# Altium PCB BMS.PcbDoc (part 2 of 2)
Units mil, origin at the board's own origin, x right, y up, seen from the top; angles counter-clockwise.
Board outline 4330.71 x 4330.71 mil, 4 copper layers (Top Layer, Ground, Power, Bottom Layer), stack 61.506 mil thick; 163 components, 102 nets, 505 pads, 490 vias.
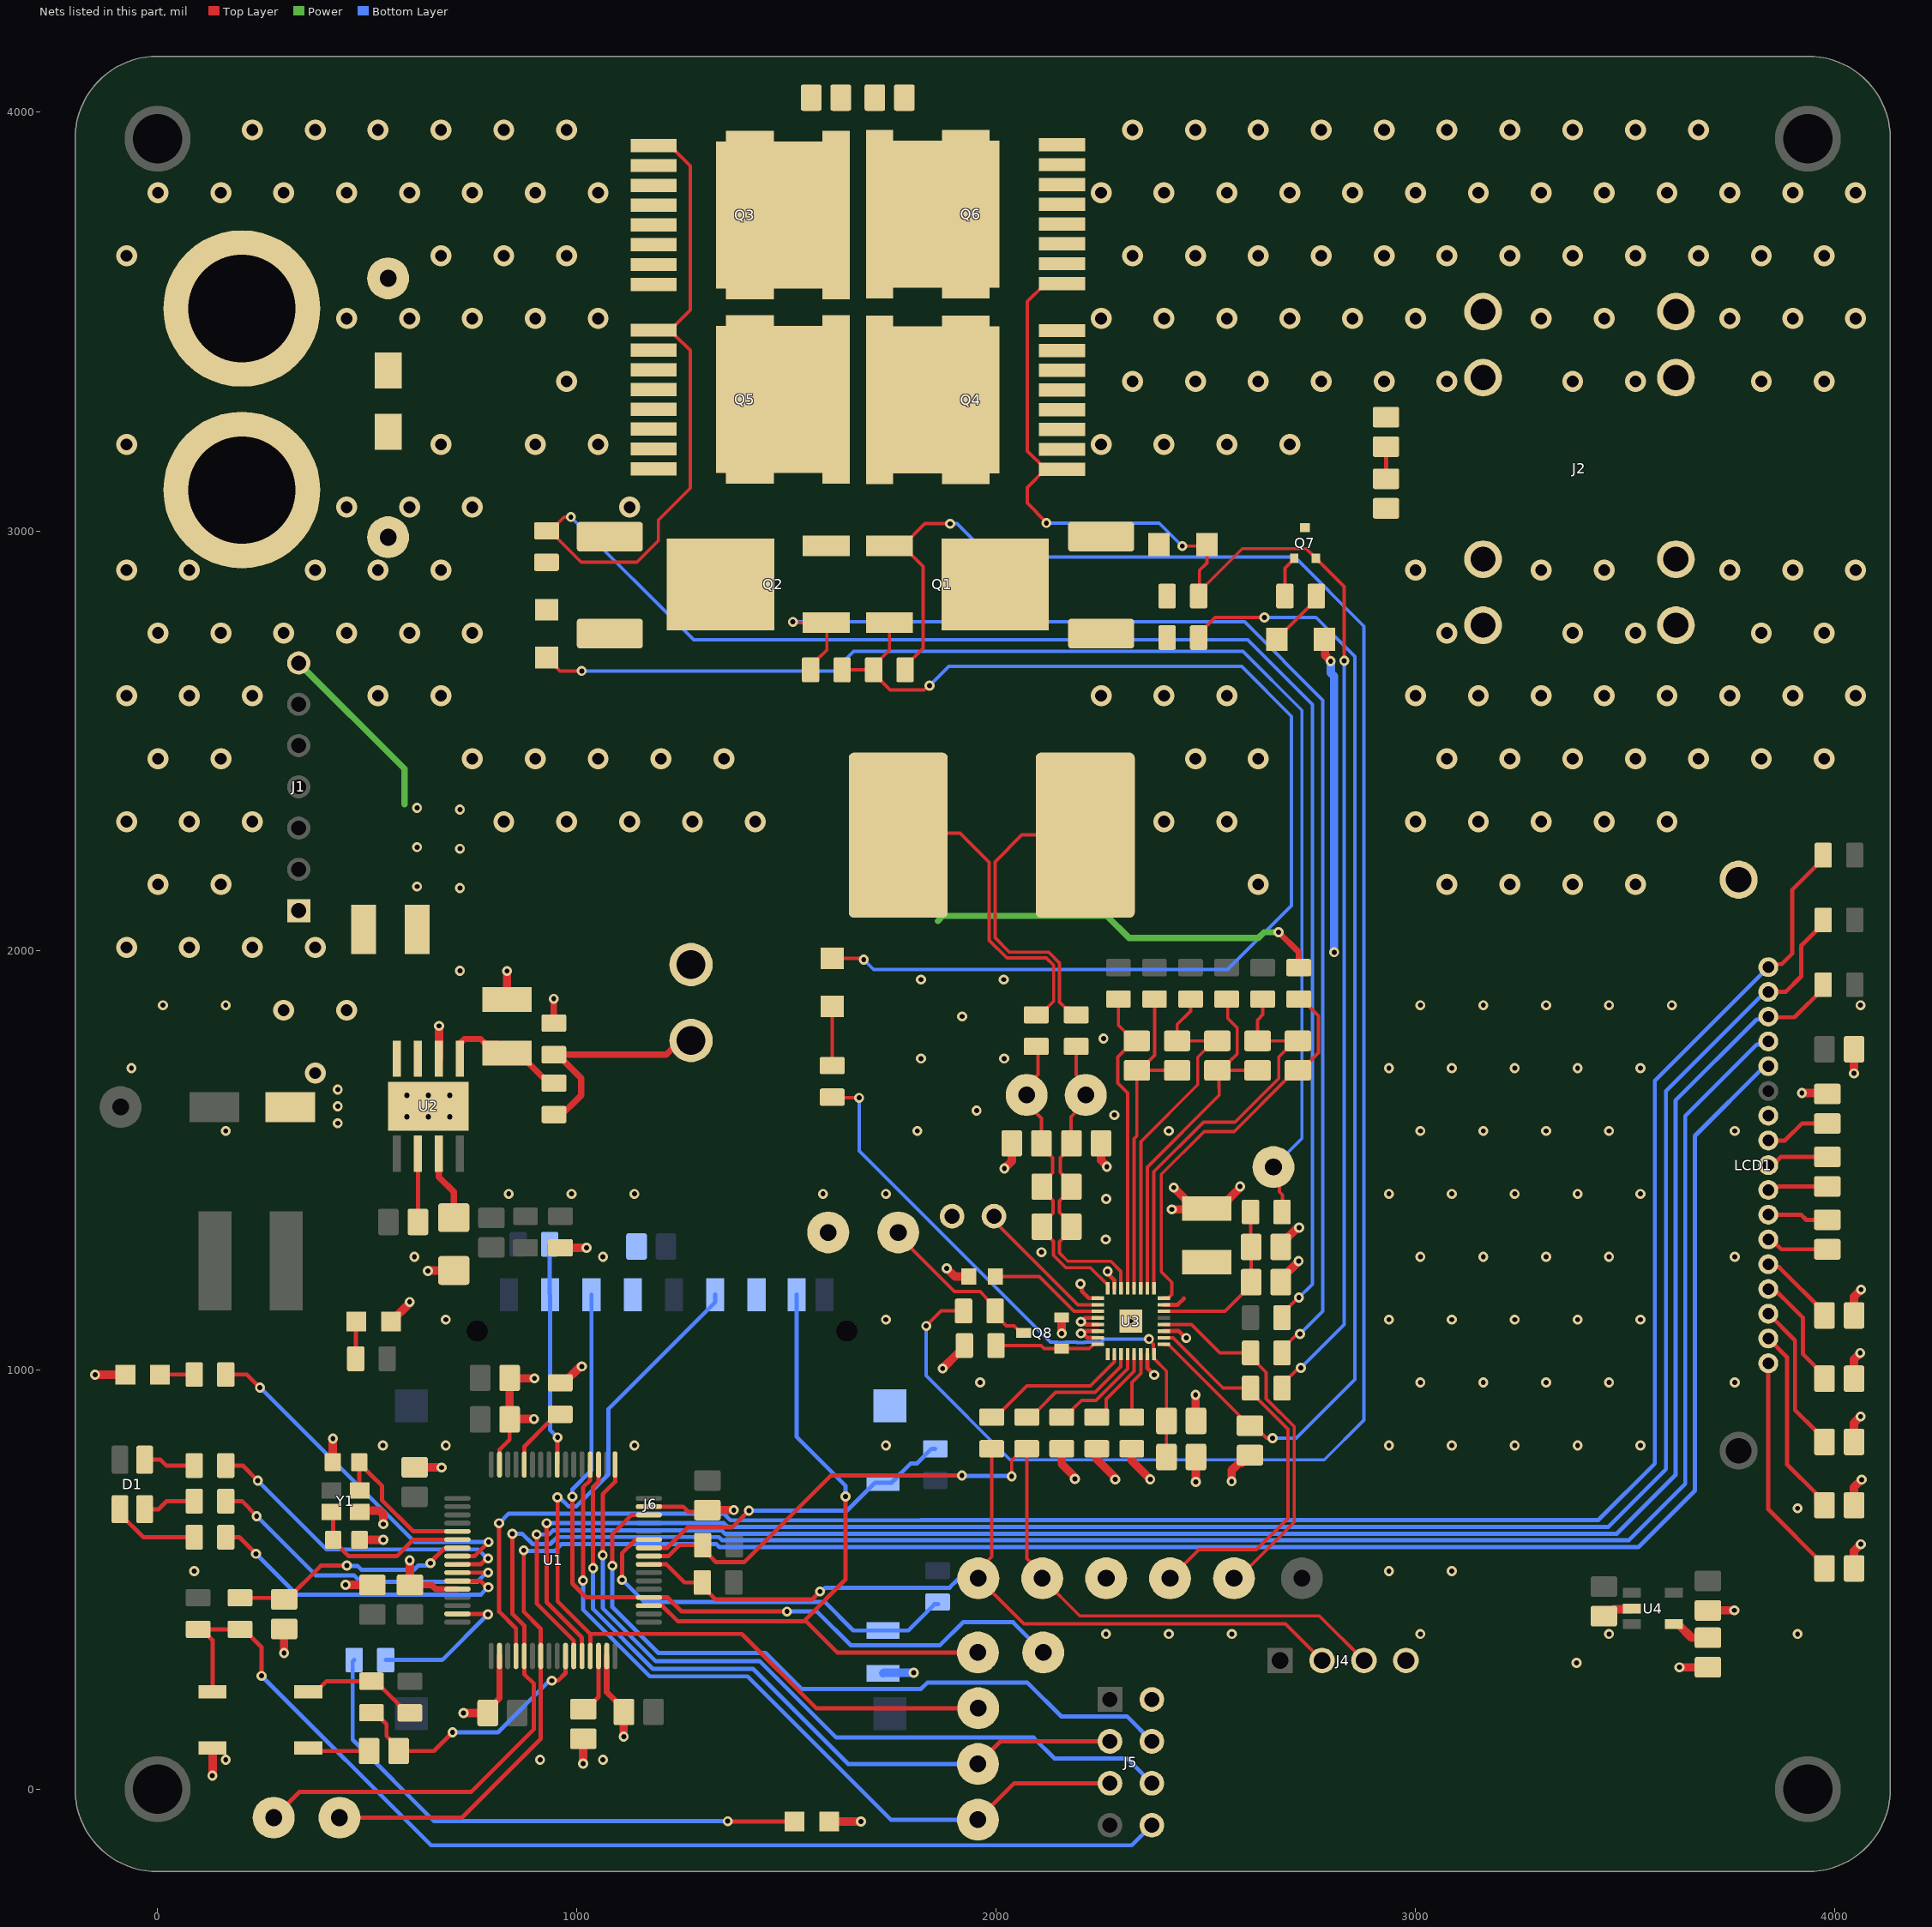
[diagram p4: the nets of this part, all layers, seen from the top]

## Via types
v1: diameter 24, hole 12, Top Layer to Bottom Layer, tented both sides, 309 vias
v2: diameter 50, hole 28, Top Layer to Bottom Layer, tented both sides, 175 vias
v3: diameter 24.8, hole 12.99, Top Layer to Bottom Layer, 6 vias

## Nets (pads, with @x,y where several pads share a name; then routed paths per layer and width w, separated by ;. In a path a pad name is that pad's centre, name@x,y a point inside that pad or via, vN(x,y) a via of type N, cw(c..) or ccw(c..) an arc to the next point about the centre after c; other vN are vias at no path point) (continued)
DEBUG_RX: J5.3 TP4.1 U1.52 | length 1853.8
  Top Layer w10: v1(1014.9,497.6) 1014.9,719.8 1031.88,736.78 1031.88,773.97 U1.52@1032.23,774.32 ; TP4.1@1957,-73 2044,14 J5.3@2272,14
  Bottom Layer w10: v1(1014.9,497.6) 1014.9,428.6 1174.5,269 1407.2,269 1749.2,-73 TP4.1@1957,-73
DEBUG_TX: J5.2 TP3.1 U1.51 | length 1758.6
  Top Layer w10: v1(1039,527.3) 1039,720.5 1051.91,733.41 U1.51@1051.91,774.32 ; TP3.1@1957,60 2011,114 J5.2@2272,114
  Bottom Layer w10: v1(1039,527.3) 1039,429.5 1181.5,287 1420.4,287 1647.4,60 TP3.1@1957,60
DSG: R28.1 TP13.1 U3.26 | length 944.3
  Top Layer w8: U3.26@2400.45,1076.83 2422.27,1076.83 2541.8,957.3 2606.8,957.3 R28.1@2607.45,956.65 2607.45,947.75 2696.4,858.8 2696.4,646.3 2621.5,571.4 2483.85,571.4 TP13.1@2415.45,503
EN_3V3: C40.2 R14.2 U2.5 | length 306.4
  Top Layer w15: U2.5@721,1742.38 723.34,1744.72 723.34,1780.81 732.13,1789.6 770.6,1789.6 782.24,1777.95 811.77,1777.95 C40.2@833.8,1755.92 ; C40.2@839.67,1752.81 866.44,1752.81 885.36,1733.9 885.36,1731.64 919.53,1697.47 923.67,1697.47 R14.2@945.37,1675.77
GND: C1.1 C2.1 C3.1 C4.1 C5.1 C6.1 C7.1 C8.1 C9.1 C10.1 C11.1 C13.1 C16.1 C17.1 C18.2 C21.1 C22.2 C23.1 C24.2 C26.1 C27.1 C34.1 C35.2 C38.1 C39.2 C40.1 C41.1 C42.1 C44.1 C45.1 C47.1 C48.1 C49.1 C50.1 C51.1 D2.2 D3.2 D6.2 D8.2 D9.1 J1.1 J3.2 J4.4 J5.5 J6.3 J6.6 J6.12 J6.13 LCD1.11 LCD1.K Q8.2 R6.2 R15.1 R34.2 R37.2 R38.2 R41.1 R42.1 R44.1 RT1.2 RT2.2 S1.1 S3.1 TP6.1 TP14.1 TP15.1 U1.12 U1.18 U1.31 U1.47 U1.63 U2.6 U2.8 U2.9 U3.7 U3.9 U3.12 U3.13 U3.14 U3.15 U3.17 U3.23 U3.27 U3.33 U3.33_1 U4.2 Y1.2 | length 6015.3
  Top Layer w8: R44.1@1767.01,2275.78 1771.53,2280.3 1914.3,2280.3 1984,2210.6 1984,2024.81 2026.21,1982.6 2120.22,1982.6 2137.7,1965.12 2137.7,1879.1 2105.62,1847.02 R42.1@2096.17,1847.02
  Top Layer w10: U1.63@816.04,774.66 816.04,809.74 839.85,833.55 C1.1@839.85,881.97 ; U1.47@1171.99,673.92 1253.98,673.92 1266.6,661.3 C3.1@1307.21,661.3 ; v1(2201.77,1205.58) 2204.45,1202.9 2204.45,1188.55 2221.9,1171.1 2243.37,1171.1 U3.9@2243.37,1171.32 ; v1(2202.93,1087.14) v1@2207.46,1087.14 ; U3.15@2243.37,1076.83 2217.77,1076.83 v1@2207.46,1087.14 ; U3.14@2243.37,1092.58 2213.24,1092.58 2207.8,1087.14 v1@2207.46,1087.14 ; U3.13@2243.37,1108.32 2214.28,1108.32 2207.8,1114.8 v1(2202.93,1114.8) 2212.2,1124.07 U3.12@2243.37,1124.07 ; v1(2266.5,1235.1) 2266.5,1229.8 2282.54,1213.76 U3.7@2282.54,1194.74 ; U3.23@2361.28,1037.65 2361.28,1004.25 v1(2377.47,988.06) ; U3.27@2400.45,1092.58 2436.22,1092.58 2452.6,1076.2 v1(2454.1,1076.2)
  Top Layer w15: C7.1@602.05,487.19 653.83,487.19 663.95,477.07 U1.12@715.3,477.07 ; C2.1@787.65,188.61 815.69,216.66 U1.18@815.69,317.62 ; U1.31@1071.6,317.62 1071.6,231.78 C4.1@1112.46,190.91
  Top Layer w20: v1(-149.2,988.8) -76.85,988.8 D2.2@-76.65,989 ; v1(130.69,32.13) 131.2,32.64 S1.1@131.2,97.1 ; v1(301.66,324.53) 301.8,324.66 C11.1@301.8,382.1 ; C10.1@418,780 418,836.12 v1(418.21,836.33) ; v1(448.51,487.19) C8.1@512.4,487.19 C8.1@515.05,487.19 ; C9.1@481.97,594.76 538.46,594.76 v1(538.51,594.72) ; Y1.2@481.97,661.43 485.16,664.62 529.16,664.62 538.46,655.32 v1(538.46,632) ; D3.2@556.93,1115.38 601.4,1159.85 v1(601.4,1162.2) ; v1(601.53,545.85) 602.05,545.32 C7.1@602.05,487.19 ; C6.1@613.25,767.84 v1@676.77,767.84 ; v1(644.7,1236.1) 645.91,1237.31 C17.1@706.65,1237.31 ; U2.6@671,1742.38 671.25,1742.63 671.25,1820.35 v1(671.5,1820.6) ; v1(729.8,181.72) C2.1@787.65,181.72 C2.1@787.65,188.61 ; v1(833.57,1951.51) 833.8,1951.27 C40.1@833.8,1883.88 ; v1(898,883) 840.88,883 C1.1@839.85,881.97 C5.1@839.85,980.97 840.82,980 v1(899.08,980) ; R6.2@960.61,969.33 969.46,969.33 1008.54,1008.4 v1(1012.18,1008.4) ; R15.1@961.2,1291.39 v1(1023.2,1291.39) ; v1(1015.1,60.7) C13.1@1015.1,119.79 ; v1(1112,125.2) 1112,183.56 C4.1@1112.46,184.02 C4.1@1112.46,190.91 ; C3.1@1307.21,661.3 C3.1@1311.65,665.73 1318.91,673 1326.18,665.73 v1(1374.84,665.73) ; D8.2@1602.34,-77 1677.82,-77 v1(1678.24,-77.41) ; v1(1872.9,1003.4) R41.1@1907.02,1037.52 ; v1(1882.8,1242.44) 1902.46,1222.78 RT2.2@1935.45,1222.78 ; v1(2020.18,1480.44) 2037.8,1498.07 C34.1@2037.8,1540.42 ; Q8.2@2156.78,1125.46 2156.96,1125.28 v1(2156.96,1087.14) ; R34.2@2157.04,812.06 2157.04,775.56 2188.5,744.1 v1(2188.5,740.2) ; R37.2@2240.54,812.06 2240.54,786.96 2284.8,742.7 v1(2284.8,738.7) ; C35.2@2250.88,1543.62 2250.88,1500.24 2264.64,1486.48 v1(2264.64,1484.92) ; R38.2@2324.04,812.06 2324.04,783.36 v1(2368.2,739.2) ; v1(2419.6,1383) 2501.12,1383 C26.1@2503.04,1384.92 ; v1(2424.3,1435.2) 2424.3,1434.14 2473.52,1384.92 C26.1@2503.04,1384.92 ; v1(2476.3,940.5) 2476.3,879.36 C21.1@2477.33,878.33 ; v1(2476.7,733.1) 2476.7,791.7 C23.1@2477.33,792.33 ; v1(2562.31,734.26) 2562.31,760.36 2579.11,777.16 2586.39,777.16 C27.1@2606,796.76 ; v1(2582.5,1437.7) 2582.5,1434.85 2532.57,1384.92 C26.1@2503.04,1384.92 ; C22.2@2679.49,1209.44 2679.49,1216.59 2722.1,1259.2 v1(2722.1,1259.6) ; C24.2@2679.49,1293.44 2679.49,1299.29 2719.7,1339.5 v1(2723.5,1339.5) ; D6.2@2783.92,2743 2785.44,2741.48 2785.44,2704.75 v1@2794.22,2695.97 ; v1(2798.5,2690.61) v1@2798.5,2691.69 ; C49.1@3450.5,412.57 3457.39,412.57 3473.91,429.1 3515.09,429.1 U4.2@3516.9,430.91 ; v1(3630.81,290.67) 3692.21,290.67 3694.5,292.97 C50.1@3696.8,290.67 ; C51.1@3698.45,426.4 v1(3761.7,426.4) v1@3762.39,426.4 ; v1(3922.6,1660.4) 3981.29,1660.4 C48.1@3983.46,1658.24 ; v1(4046.89,1707.31) 4047.24,1707.66 C39.2@4047.24,1765 ; C41.1@4047.24,526.42 4047.24,567.97 v1(4063.5,584.23) ; C42.1@4047.24,677.31 4047.24,720.35 v1(4065.19,738.31) ; C44.1@4047.24,828.21 4047.24,873.54 v1(4062.7,889) ; C45.1@4047.24,979.1 4047.24,1025.6 4061.8,1040.16 v1(4061.8,1040.5) ; C47.1@4047.24,1130 4047.24,1174.84 v1(4063.9,1191.5)
  Bottom Layer w20: J6.12@1731.05,276.17 1732.57,277.7 v1(1803.7,277.7) ; v1(2798.5,2690.61) 2799.27,2689.84 2799.27,2662.44 2806.9,2654.81 v1(2806.9,1996.41)
  other v1: 162.6,70 912.6,70 1062.6,70 3385.3,301.21 2262.6,370 2412.6,370 2562.6,370 3012.6,370 3462.6,370 3912.6,370 87.6,520 2937.6,520 3087.6,520 3912.6,670 677.48,767.13 537.6,820 687.6,820 1137.6,820 1737.6,820 2937.6,820 3087.6,820 3237.6,820 3387.6,820 3537.6,820 1962.6,970 3012.6,970 3162.6,970 3312.6,970 3462.6,970 3762.6,970 687.6,1120 1737.6,1120 2937.6,1120 3087.6,1120 3237.6,1120 3387.6,1120 3537.6,1120 612.6,1270 1062.6,1270 3012.6,1270 3162.6,1270 3312.6,1270 3462.6,1270 3762.6,1270 2108.5,1280.8 2262.2,1311.4 2263.3,1408 837.6,1420 987.6,1420 1137.6,1420 1587.6,1420 1737.6,1420 2937.6,1420 3087.6,1420 3237.6,1420 3387.6,1420 3537.6,1420 162.6,1570 1812.6,1570 2412.6,1570 3012.6,1570 3162.6,1570 3312.6,1570 3462.6,1570 3762.6,1570 429.8,1588.41 2282.6,1608.2 1953.9,1618.5 429.8,1628.71 429.8,1669.01 -62.4,1720 2937.6,1720 3087.6,1720 3237.6,1720 3387.6,1720 3537.6,1720 1821.4,1742.8 2019.8,1742.8 2256.7,1790.3 1919.5,1843.1 12.6,1870 162.6,1870 3012.6,1870 3162.6,1870 3312.6,1870 3462.6,1870 3612.6,1870 4062.6,1870 1821.4,1931.3 2018.7,1931.3
  other v2: 376,1708 301,1858 451,1858 -74,2008 76,2008 226,2008 376,2008 1,2158 151,2158 -74,2308 76,2308 226,2308 826,2308 976,2308 1126,2308 1276,2308 1426,2308 1,2458 151,2458 751,2458 901,2458 1051,2458 1201,2458 1351,2458 -74,2608 76,2608 226,2608 526,2608 676,2608 1,2758 151,2758 301,2758 451,2758 601,2758 751,2758 -74,2908 76,2908 376,2908 526,2908 676,2908 451,3058 601,3058 751,3058 -74,3208 676,3208
  other v3: 594.82,1603.6 646,1603.6 697.18,1603.6 594.82,1654.78 646,1654.78 697.18,1654.78
LCD_A0: LCD1.15 R50.1 U1.27 | length 4475.5
  Top Layer w10: v1(904.4,607.5) 904.4,442.8 992.51,354.69 992.51,317.97 U1.27@992.86,317.62 ; LCD1.15@3842.68,1842.71 3844.29,1841.1 3904.76,1841.1 3973.61,1909.95 R50.1@3973.61,1918.81
  Bottom Layer w10: v1(904.4,607.5) 933.83,607.5 943.83,617.5 1345.29,617.5 1353.39,609.4 3481.4,609.4 3621.3,749.3 3621.3,1642.7 3814.69,1836.09 3836.05,1836.09 LCD1.15@3842.68,1842.71
LCD_MOSI: LCD1.13 TP22.1 U1.23 | length 4974.8
  Top Layer w10: TP22.1@434,-68 725.87,-68 914.12,120.24 U1.23@914.12,317.62 913.91,317.83 913.91,382.89 873.5,423.3 v1(873.5,569.7)
  Bottom Layer w10: v1(873.5,569.7) 874.7,568.5 947.8,568.5 964,584.7 1332.84,584.7 1340.14,577.4 3532.8,577.4 3667.4,712 3667.4,1558.4 3833.6,1724.6 LCD1.13@3842.68,1724.6
LCD_SCK: LCD1.14 TP21.1 U1.21 | length 5219.4
  Top Layer w10: TP21.1@277,-68 338,-7 747.5,-7 897.8,143.3 897.8,251.4 874.75,274.45 U1.21@874.75,317.62 874.75,335.94 874.69,336 874.69,390.31 846.2,418.8 v1(846.2,609)
  Bottom Layer w10: v1(846.2,609) 870.37,609 894.87,584.5 936.5,584.5 953.5,601.5 1338.66,601.5 1346.76,593.4 3509.6,593.4 3644.4,728.2 3644.4,1605.5 3815.43,1776.53 3835.55,1776.53 LCD1.14@3842.68,1783.66
LED: R2.2 U1.8 | length 880.8
  Top Layer w10: R2.2@162.7,989 213,989 v1(244.3,957.7) ; U1.8@715.3,555.81 756.08,555.81 v1(789.68,589.41)
  Bottom Layer w10: v1(244.3,957.7) 245.29,957.7 547.99,655 561.46,641.53 613.58,589.41 v1(789.68,589.41)
NetC9_2: C9.2 U1.6 Y1.1 | length 398.2
  Top Layer w10: Y1.1@415.04,661.43 418.98,657.5 C9.2@418.98,594.76 418.98,592.8 455.96,555.81 570.76,555.81 609.79,594.84 714.95,594.84 U1.6@715.3,595.18
NetC10_2: C10.2 U1.5 Y1.3 | length 389.7
  Top Layer w10: C10.2@480.99,780 C10.2@480.99,778.03 ; Y1.3@481.97,712.61 480.99,713.59 C10.2@480.99,778.03 ; U1.5@715.3,614.87 610.13,614.87 535.33,689.67 535.33,723.78 511.81,747.3 511.72,747.3 C10.2@480.99,778.03
NetC11_2: C11.2 R7.2 U1.7 | length 581.3
  Top Layer w10: R7.2@196.6,456.5 196.99,456.11 298.46,456.11 C11.2@302,452.57 308.89,452.57 389.51,533.19 v1(451.81,533.19) ; v1(651.1,539.04) 651.1,541.5 684.75,575.15 714.95,575.15 U1.7@715.3,575.5
  Bottom Layer w10: v1(451.81,533.19) 452.89,532.11 477.49,532.11 486.75,522.85 611.06,522.85 621.4,533.19 645.26,533.19 v1(651.1,539.04)
NetC12_1: C12.1 S2.2 | length 147.8
  Top Layer w10: S2.2@359.65,98.04 366.69,91 C12.1@504.53,91
NetC12_2: C12.2 R9.1 U1.26 | length 639.4
  Top Layer w10: R9.1@510.43,182.37 519.29,182.37 534.96,166.7 534.96,166.24 546.18,155.02 546.18,126.71 575,97.89 C12.2@575,91 659.3,91 v1(703.8,135.5) ; v1(940.6,258.9) 955.47,258.9 973.17,276.61 U1.26@973.17,317.62
  Bottom Layer w10: v1(703.8,135.5) 811.87,135.5 935.27,258.9 v1(940.6,258.9)
NetC13_2: C13.2 U1.30 | length 146
  Top Layer w10: C13.2@1015.56,190.72 1022.45,190.72 1051.91,220.18 U1.30@1051.91,317.62
NetC14_2: C14.2 U2.2 | length 163
  Top Layer w10: C14.2@621,1353 U2.2@621,1516
NetC17_2: C17.2 U2.3 | length 167.5
  Top Layer w15: U2.3@671,1516 671,1460.3 706.65,1424.65 C17.2@706.65,1363.29
NetC19_2: C19.2 C20.1
NetC21_2: C21.2 C23.2 R22.1 U3.24 | length 1375.5
  Top Layer w8: R22.1@1609.5,1650.78 1611.27,1649 v1(1673.6,1649) ; v1(2365.1,1073.8) 2365.1,1071.9 2375.89,1061.11 2375.89,1052.61 2376.7,1051.8 2376.7,1037.98 U3.24@2377.03,1037.65 2377.36,1037.32 2377.36,1026.74 2406.85,997.25 C21.2@2406.85,878.33 C23.2@2406.85,792.33
  Bottom Layer w8: v1(1673.6,1649) 1673.6,1522.4 2129.86,1066.14 2146.85,1066.14 2147.85,1065.14 2166.07,1065.14 2167.07,1066.14 2192.82,1066.14 2193.82,1065.14 2212.04,1065.14 2213.04,1066.14 2250.41,1066.14 2258.08,1073.8 v1(2365.1,1073.8)
NetC22_1: C22.1 C24.1 R24.2 U3.30 | length 409.6
  Top Layer w8: U3.30@2400.45,1139.82 2546.71,1139.82 2609.02,1202.13 C22.1@2609.02,1209.44 C24.1@2609.02,1293.44 2607.45,1295.01 R24.2@2607.45,1376.65
NetC25_1: C25.1 C28.2 R30.2 U3.1 | length 974.8
  Top Layer w8: U3.1@2377.03,1194.74 2377.03,1472.9 2494.89,1590.76 2570.46,1590.76 2674.81,1695.11 2674.81,1746.36 C25.1@2713.4,1784.96 ; R30.2@2636.29,1884.52 2636.29,1847.39 2623.8,1834.9 2623.8,1785.45 C28.2@2624.29,1784.96 C25.1@2713.4,1784.96 ; C25.1@2720.29,1784.96 C25.1@2713.4,1784.96
NetC25_2: C25.2 R25.2 U3.32 | length 967.4
  Top Layer w8: U3.32@2400.45,1171.32 2410.69,1171.32 2412.02,1172.65 2419.6,1180.23 2419.6,1209.05 2394.5,1234.15 2394.5,1466.7 2496.78,1568.98 2568.48,1568.98 2692.8,1693.3 2692.8,1693.38 2711.62,1712.2 2725.2,1712.2 2769.7,1756.7 2769.7,1844.7 2748.82,1865.58 2748.82,1866.24 2730.54,1884.52 R25.2@2722.29,1884.52
NetC26_2: C26.2 U3.31 | length 54.2
  Top Layer w10: U3.31@2400.45,1155.57 2433.57,1155.57 2448.5,1170.5
NetC27_2: C27.2 R29.1 U3.25 | length 2780.5
  Top Layer w8: U3.25@2400.45,1061.08 2401.78,1059.75 2412.35,1059.75 2586.9,885.2 2596.87,885.2 C27.2@2616.33,865.73 ; R29.1@2483.6,2747 2483.6,2755.86 2522.74,2795 v1(2640.6,2795) ; C27.2@2606,867.24 2607.5,865.73 C27.2@2616.33,865.73 ; C27.2@2617.29,864.78 C27.2@2616.33,865.73 ; v1(2659.9,837.1) 2645.92,837.1 2617.29,865.73 C27.2@2616.33,865.73
  Bottom Layer w8: v1(2640.6,2795) 2763.8,2795 2856.5,2702.3 2856.5,977.37 2716.23,837.1 v1(2659.9,837.1)
NetC28_1: C28.1 C30.2 R31.2 U3.2 | length 879.1
  Top Layer w8: U3.2@2361.28,1194.74 2361.28,1484.08 2532.6,1655.4 2532.6,1672.8 2532.4,1673 2532.4,1704.53 2522.44,1714.48 C30.2@2528.29,1714.48 2535.18,1714.48 C30.2@2536.28,1714.48 ; R31.2@2550.29,1870.12 2553.1,1867.31 2553.1,1838.2 2575.5,1815.8 2575.5,1753.7 2557.89,1736.09 2557.83,1736.09 2536.28,1714.55 C30.2@2536.28,1714.48 ; C28.1@2624.29,1714.48 C30.2@2536.28,1714.48
NetC29_1: C29.1 C33.2 | length 76.5
  Top Layer w10: C33.2@2930.65,3125.8 C29.1@2930.65,3202.33
NetC30_1: C30.1 C31.2 R32.2 U3.3 | length 905.4
  Top Layer w8: U3.3@2345.53,1194.74 2345.53,1544.54 2481.5,1680.51 2481.5,1746.09 C30.1@2520.36,1784.96 ; C31.2@2407.2,1763.5 2428.66,1784.96 C31.2@2432.29,1784.96 ; R32.2@2464.29,1884.52 2464.29,1856.19 2432.29,1824.19 C31.2@2432.29,1784.96 ; C30.1@2528.29,1784.96 C30.1@2520.36,1784.96 ; C31.2@2432.29,1784.96 C30.1@2520.36,1784.96
NetC31_1: C31.1 C32.2 R33.2 U3.4 | length 803.5
  Top Layer w8: U3.4@2329.78,1194.74 2329.78,1551.49 2336.29,1558 C32.2@2336.29,1714.48 C32.2@2342.14,1714.48 ; R33.2@2378.29,1884.52 2378.29,1750.63 C32.2@2342.14,1714.48 ; C31.1@2432.29,1714.48 C32.2@2342.14,1714.48
NetC32_1: C32.1 R35.2 U3.5 | length 723.3
  Top Layer w8: R35.2@2292.29,1870.12 2292.29,1822.07 2329.4,1784.96 2290.7,1746.25 2290.7,1683.8 2314.04,1660.46 U3.5@2314.04,1194.74
  Top Layer w10: C32.1@2329.4,1784.96 C32.1@2336.29,1784.96
NetC41_2: C41.2 LCD1.1 | length 545.1
  Top Layer w10: LCD1.1@3842.68,1015.94 3842.68,667.39 3976.76,533.31 C41.2@3976.76,526.42
NetC42_2: C42.2 LCD1.2 | length 453.2
  Top Layer w10: LCD1.2@3842.68,1075 3887.5,1030.18 3887.5,774 3957.16,704.34 3957.16,696.92 C42.2@3976.76,677.31
NetC43_1: C43.1 LCD1.7 | length 146
  Top Layer w10: LCD1.7@3842.68,1370.27 3921.03,1370.27 3933.4,1357.9 3933.74,1358.24 C43.1@3983.46,1358.24
NetC43_2: C43.2 LCD1.6 | length 150.5
  Top Layer w10: LCD1.6@3842.68,1311.22 3850.38,1311.22 3873.84,1287.76 C43.2@3983.46,1287.76
NetC44_2: C44.2 LCD1.3 | length 362.1
  Top Layer w10: LCD1.3@3842.68,1134.05 3906.3,1070.43 3906.3,904.3 3955.9,854.71 3957.16,854.71 3976.76,835.1 C44.2@3976.76,828.21
NetC45_2: C45.2 LCD1.4 | length 277.8
  Top Layer w10: LCD1.4@3842.68,1193.11 3852.75,1193.11 3863.06,1182.81 3866.99,1182.81 3894.36,1155.44 3924.9,1124.9 3924.9,1037.86 3976.76,985.99 C45.2@3976.76,979.1
NetC46_1: C46.1 LCD1.9 | length 149
  Top Layer w10: LCD1.9@3842.68,1488.38 3852.75,1488.38 3872.61,1508.24 C46.1@3983.46,1508.24
NetC46_2: C46.2 LCD1.8 | length 144.3
  Top Layer w10: LCD1.8@3842.68,1429.33 3849.8,1436.46 3865.85,1436.46 3867.16,1437.76 C46.2@3983.46,1437.76
NetC47_2: C47.2 LCD1.5 | length 188.7
  Top Layer w10: LCD1.5@3842.68,1252.16 3849.8,1245.03 3868.62,1245.03 3976.76,1136.89 C47.2@3976.76,1130
NetC48_2: C48.2 LCD1.10 | length 157.5
  Top Layer w10: LCD1.10@3842.68,1547.44 3882.28,1547.44 3922.6,1587.76 C48.2@3983.46,1587.76
NetC50_2: C50.2 U4.4 | length 92.6
  Top Layer w20: U4.4@3617.61,393.51 3627.45,393.51 3659.85,361.11 3696.76,361.11 C50.2@3696.8,361.14
NetD1_1: D1.1 R3.2 | length 124
  Top Layer w10: D1.1@-30.75,785.86 6.75,785.86 20.64,771.97 R3.2@87.5,771.97
NetD1_2: D1.2 R4.1 | length 126.3
  Top Layer w10: D1.2@-30.75,667.75 2.64,667.75 22,687.11 87.36,687.11 R4.1@87.5,686.97
NetD1_3: D1.3 R1.1 | length 211.3
  Top Layer w10: D1.3@-89.8,667.75 -89.8,656.92 -33.85,600.97 R1.1@87.5,600.97
NetD2_1: D2.1 R2.1 | length 81.5
  Top Layer w10: D2.1@6.02,989 R2.1@87.5,989
NetD3_1: D3.1 R13.1 | length 89.3
  Top Layer w10: R13.1@472.76,1026.65 472.76,1113.88 D3.1@474.25,1115.38